# Altium PCB TinyHawk_PCB.PcbDoc (part 4 of 6) (continued)
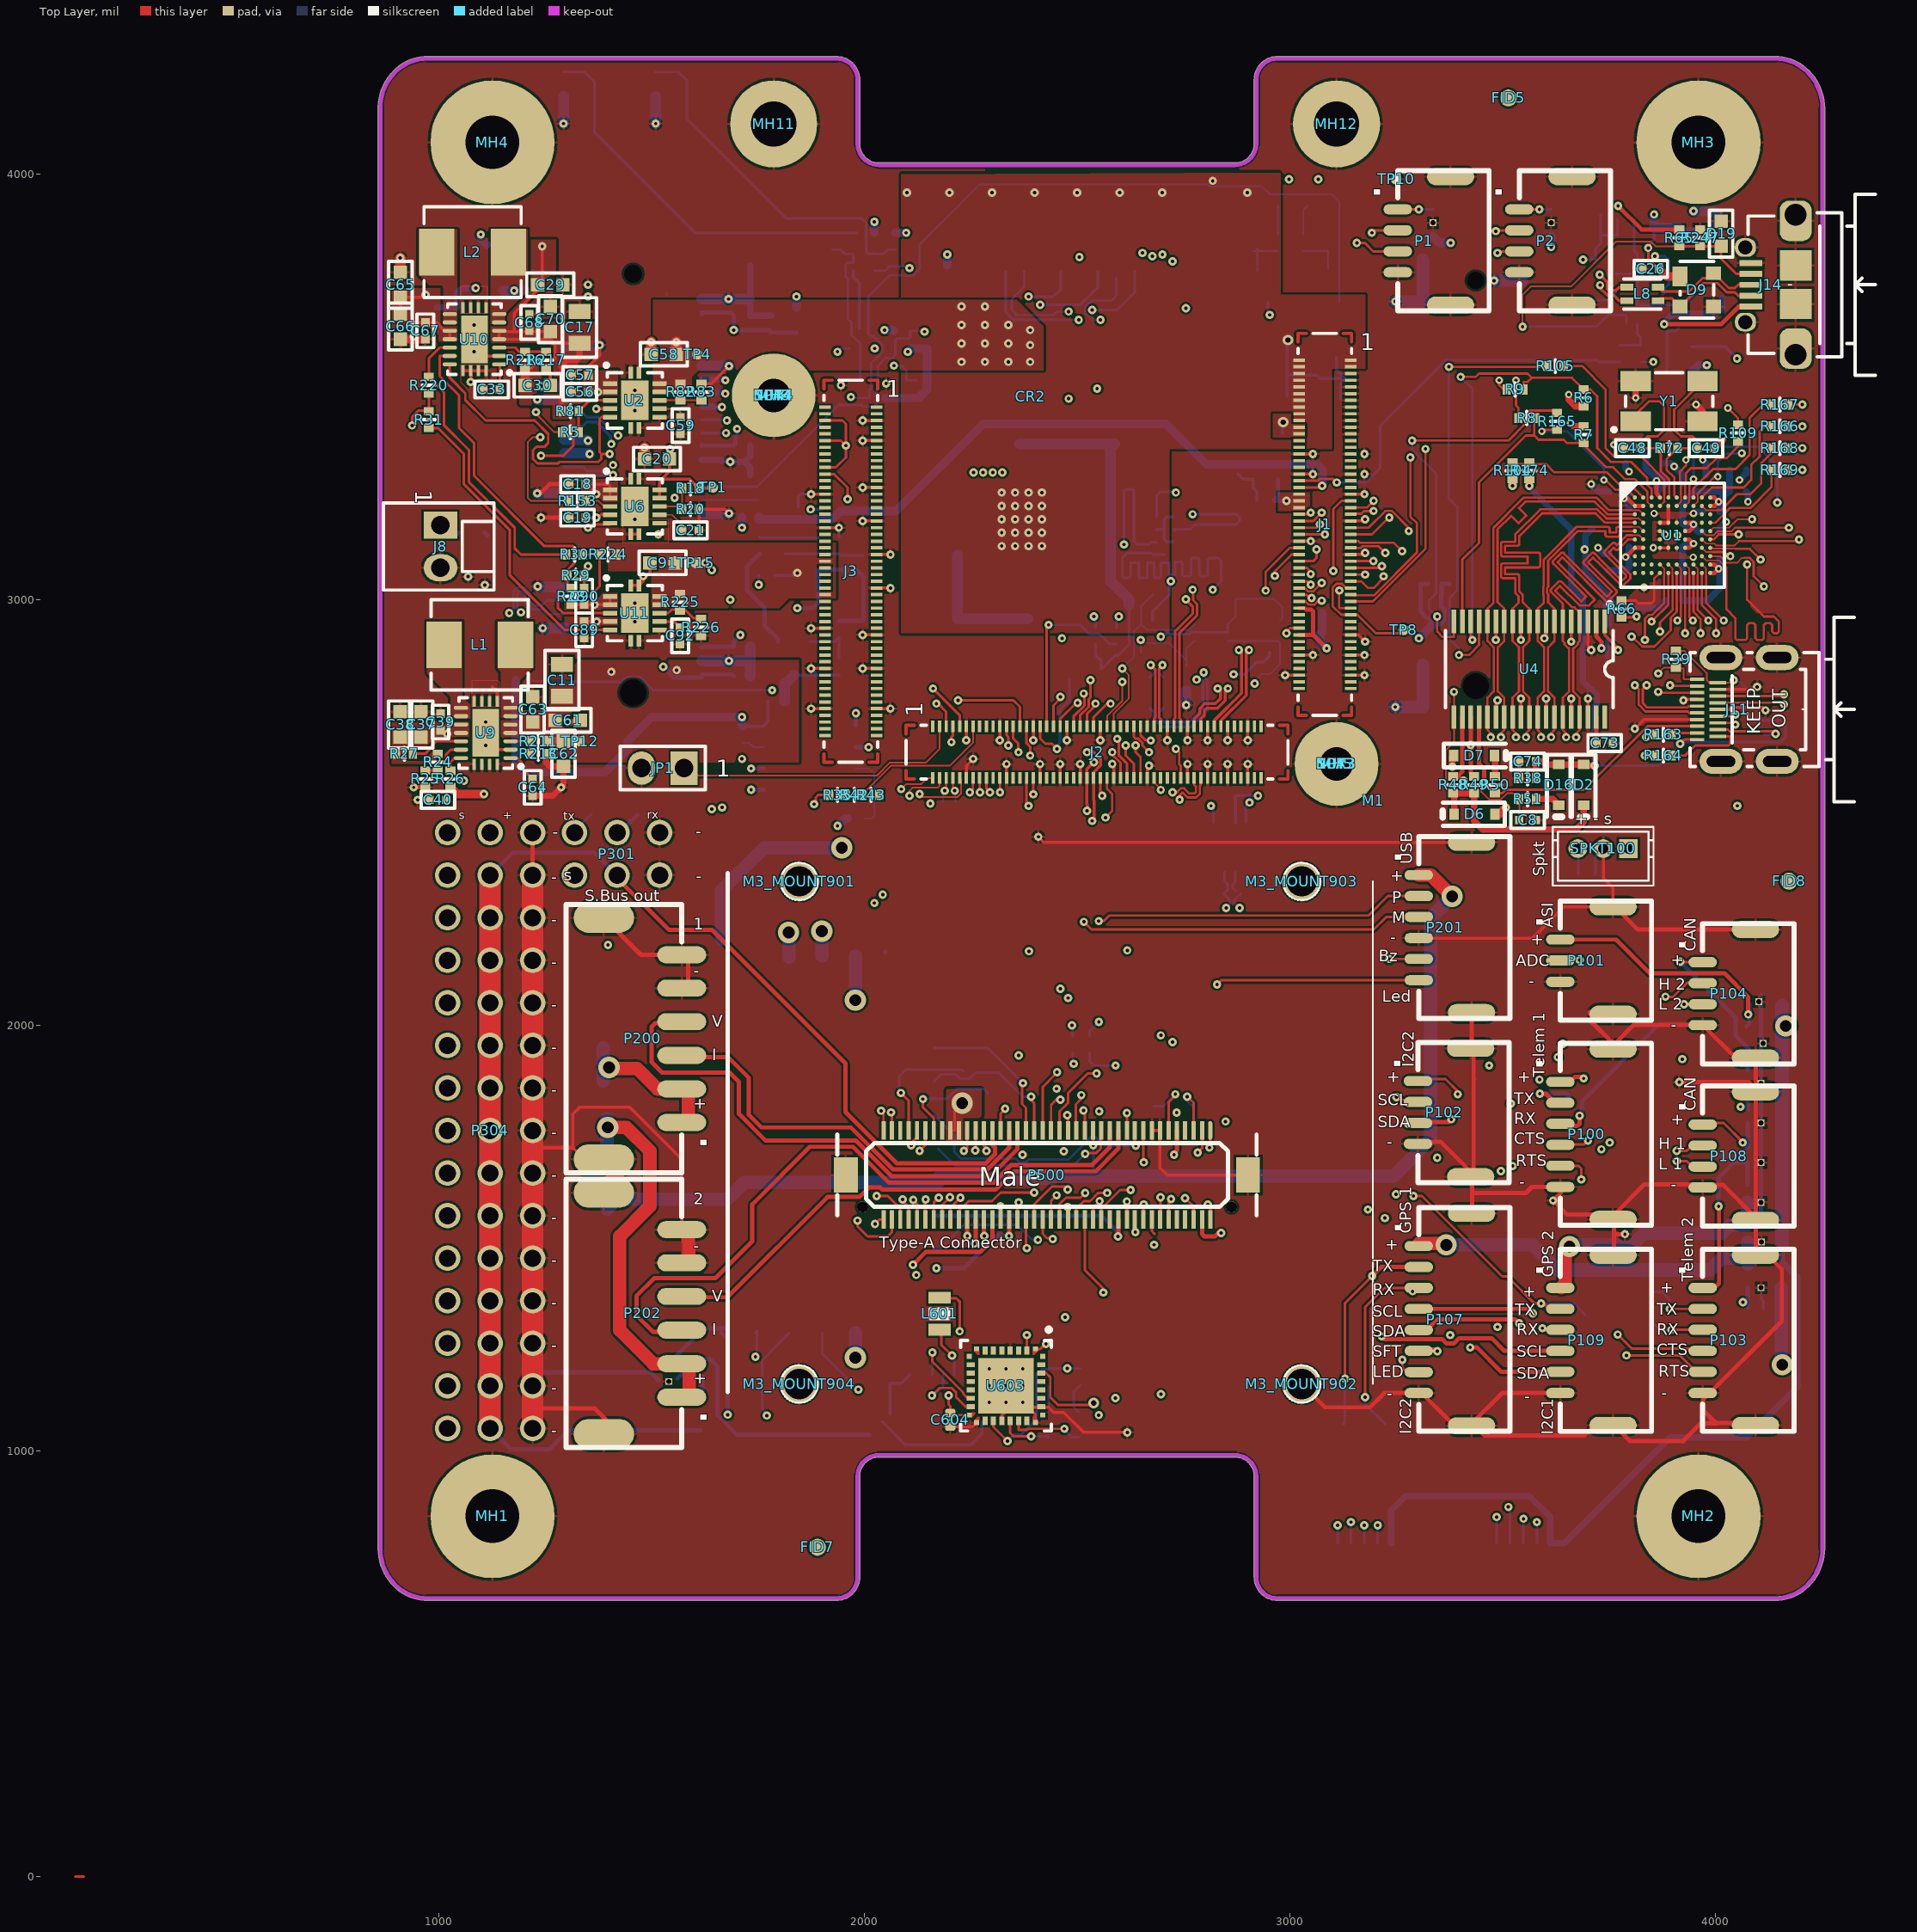
[diagram p0: Top Layer view]
## Nets (pads, with @x,y where several pads share a name; then routed paths per layer and width w, separated by ;. In a path a pad name is that pad's centre, name@x,y a point inside that pad or via, vN(x,y) a via of type N, cw(c..) or ccw(c..) an arc to the next point about the centre after c; other vN are vias at no path point) (continued)
  Top Layer w5.91: J2.43@2491.73,2702.36 2491.73,2725.58 2517.38,2751.23 2517.38,2777.85 v1(2515.7,2779.53)
  Signal Layer 1 w5.91: v1(2480.32,3677.17) 2480.32,3630.7 2505.76,3605.26 2505.76,2876.13 2515.7,2866.19 v1(2515.7,2779.53)
  Bottom Layer w5.91: J15.7@2375.59,3771.65 2375.59,3735.43 2346.46,3706.3 2346.46,3681.1 2358.27,3669.29 2444.88,3669.29 2452.76,3677.17 v1(2480.32,3677.17)
SD3_DATA1: J2.45 J15.8 | length 1251.7
  Top Layer w5.91: J2.45@2507.48,2702.36 2507.48,2728.74 2527.51,2748.76 2527.51,2766.38 2531.49,2770.36 v1(2531.49,2811.02)
  Signal Layer 1 w5.91: v1(2503.94,3657.48) 2503.94,3619.68 2514.66,3608.95 2514.66,2882.97 2531.5,2866.14 v1(2531.49,2811.02)
  Bottom Layer w5.91: J15.8@2332.28,3771.65 2332.28,3675.59 2350.39,3657.48 v1(2503.94,3657.48)
SD3_DATA2: J2.47 J15.1 | length 1169.9
  Top Layer w5.91: J2.47@2523.23,2702.36 2523.23,2731.89 2543.3,2751.96 v1(2543.3,2755.9)
  Signal Layer 1 w5.91: v1(2535.43,3681.1) 2523.57,3669.24 2523.57,2890.6 2547.29,2866.88 2547.29,2783.38 2543.3,2779.4 v1(2543.3,2755.9)
  Bottom Layer w5.91: v1(2535.43,3681.1) 2594.33,3681.1 2635.43,3722.2 J15.1@2635.43,3771.65
SD3_DATA3: J2.49 J15.2 | length 1166.8
  Top Layer w5.91: J2.49@2538.98,2702.36 2538.98,2724.02 2570.87,2755.91 v1(2578.74,2755.91)
  Signal Layer 1 w5.91: v1(2555.12,3657.48) 2564.82,3647.78 2564.82,2899.75 2578.74,2885.83 v1(2578.74,2755.91)
  Bottom Layer w5.91: v1(2555.12,3657.48) 2536.72,3657.48 2519.64,3674.56 2519.64,3687.64 2535.43,3703.44 2581.39,3703.44 2592.13,3714.17 J15.2@2592.13,3755.91
SD3_WP: J2.35 R139.2 | length 418.6
  Top Layer w5.91: J2.35@2428.74,2702.36 2428.74,2936.61 v1(2433.07,2940.94)
  Bottom Layer w5.91: v1(2433.07,2940.94) 2507.33,2940.94 2529.03,2919.24 2553.2,2919.24 2576.77,2895.67 R139.2@2592.52,2895.67
SERIAL1_CTS: P100.4 P500.44 | length 1535.5
  Top Layer w5.91: P500.44@2399.47,1543.67 2399.47,1579.47 2441,1621 2471,1621 v1(2478,1614) ; P100.4@3637.8,1720.47 3692.01,1720.47 v1(3700.79,1729.25)
  Signal Layer 2 w5.91: v1(2469,1704) 2469,1708 2496.8,1735.8 v1@3694.24,1735.8
  Signal Layer 1 w5.91: v1(2469,1704) 2478,1695 v1(2478,1614)
SERIAL1_RTS: P100.5 P500.42 | length 1434.2
  Top Layer w5.91: P500.42@2419.16,1543.67 2419.16,1509.98 2429.13,1500 2441,1500 v1(2443,1498) ; P100.5@3645.96,1673.52 3650.18,1669.29 3679.28,1669.29 3685.04,1663.53 v1(3685.04,1637.8)
  Signal Layer 2 w5.91: v1(2443,1498) 2472,1527 2627.66,1527 2630.46,1529.8 2643.54,1529.8 2643.63,1529.71 2671.17,1529.71 2673.87,1527 2831.43,1527 2832.04,1527.61 2845.13,1527.61 2845.73,1527 3286.84,1527 3397.64,1637.8 v1(3685.04,1637.8)
SERIAL1_RX: JP100.2 P100.3 P500.38 S1RX.P$1 | length 1913
  Top Layer w5.91: P500.38@2459,1543.67 2459,1580 2474,1595 2508,1595 v1(2519,1606)
  Top Layer w10: P100.3@3645.67,1763.78 3676.45,1763.78 3681.1,1768.43 v1(3681.1,1787.4)
  Signal Layer 2 w5.91: v1(2552,1798) 2551,1797 2551,1794 2568.8,1776.2 2811.64,1776.2 2832.23,1796.8 3583.2,1796.8 ; 3583.46,1797.05 3671.46,1797.05 v1(3681.1,1787.4)
  Signal Layer 1 w5.91: v1(2519,1606) 2555.8,1642.8 2555.8,1794.2 v1(2552,1798)
  Bottom Layer w10: v1(3681.1,1787.4) 3685.79,1792.09 3685.79,1820.25 3868.79,2003.25 JP100.2@3950.79,2003.25 ; JP100.2@3968.46,2002.45 JP100.2@3979.46,2002.45
SERIAL1_TX: P100.2 P500.40 S1TX.P$1 | length 1627.6
  Top Layer w5.91: P500.40@2439,1543.67 2439,1587.5 v1(2452,1600.5) v1@2452,1604
  Top Layer w10: v1(3587.79,1839.25) 3601.69,1839.25 3625.98,1814.96 P100.2@3649.61,1814.96
  Signal Layer 2 w5.91: v1(2452,1851) 2461,1860 2576,1860 2587,1871 3401.61,1871 3402.16,1870.45 3429.88,1870.45 3430.43,1871 3458,1871 ; 3458.25,1871.25 3555.79,1871.25 v1(3587.79,1839.25)
  Signal Layer 1 w5.91: v1(2452,1600.5) 2443.2,1609.3 2443.2,1842.2 v1(2452,1851) v1@2453,1851
  Bottom Layer w10: v1(3587.79,1839.25) 3648.79,1839.25 S1TX.P$1@3657.79,1830.25
SERIAL2_CTS: P103.4 P500.32 | length 1894
  Top Layer w5.91: P500.32@2518,1543.67 2518,1425 2562,1381 v1(2562,1372) ; v1(2590,1124) v1@2590.55,1123.45 ; v1(3770.79,1273.25) 3803.79,1240.25 P103.4@3953.22,1240.25
  Signal Layer 2 w5.91: v1(2590,1124) 2698.28,1232.28 3214.22,1232.28 3238.14,1256.2 3383.54,1256.2 3386.13,1258.8 3498.65,1258.8 3504.65,1252.79 3604.75,1252.79 3623.57,1271.61 3769.15,1271.61 v1(3770.79,1273.25)
  Signal Layer 1 w5.91: v1(2562,1372) 2562,1214.59 2572.01,1204.58 2572.01,1141.99 v1(2590,1124)
SERIAL2_RTS: P103.5 P500.30 | length 2053.9
  Top Layer w5.91: P500.30@2538,1543.67 2538,1572 v1(2553,1587) ; v1(3791.34,1224.41) 3916.79,1224.41 3949.95,1191.25 P103.5@3953.22,1191.25
  Signal Layer 2 w5.91: v1(2551,1084) 3272.98,1084 3350.39,1161.42 3689.76,1161.42 3752.75,1224.41 v1(3791.34,1224.41) v1@3791.34,1231.7
  Signal Layer 1 w5.91: v1(2551,1084) 2561.1,1094.1 2561.1,1200.06 2543.8,1217.37 2543.8,1396.37 2538,1402.17 2538,1572 v1(2553,1587)
SERIAL2_RX: P103.3 P500.34 R502.2 S2RX.P$1 | length 2503.3
  Top Layer w5.91: P500.34@2498,1543.67 2498,1568.87 2515.75,1586.61 2530.28,1586.61 2549.96,1606.3 v1(2570.87,1606.3) ; v1(3896.65,1284.45) P103.3@3970.47,1284.45
  Signal Layer 2 w5.91: v1(2697,1133) 2722.45,1107.55 3274.31,1107.55 3343.89,1177.12 3683.25,1177.12 3762.04,1255.91 3868.11,1255.91 v1(3896.65,1284.45)
  Signal Layer 1 w5.91: v1(2590.55,1905.51) 2590.55,1814.96 2570.87,1795.28 v1(2570.87,1606.3) 2570.87,1388.3 2579.8,1379.37 2579.8,1317.96 2574.2,1312.37 2574.2,1217.81 2582.91,1209.1 2582.91,1156.09 2597.2,1141.8 2688.2,1141.8 v1(2697,1133)
  Bottom Layer w5.91: R502.2@2529.53,1935.04 2529.53,1915.35 2539.37,1905.51 v1(2590.55,1905.51) ; S2RX.P$1@3848.43,1305.12 3869.09,1284.45 v1(3896.65,1284.45)
SERIAL2_TX: P103.2 P500.36 R501.2 S2TX.P$1 | length 2252.1
  Top Layer w5.91: v1(3892.72,1333.66) P103.2@3970.47,1333.66
  Signal Layer 2 w5.91: v1(2472,1314) 2501.2,1284.8 3222.54,1284.8 3235.34,1272 v1(3377,1272) ; v1@3377,1273.7 3377.8,1274.5 3505.15,1274.5 3511.16,1268.5 3598.25,1268.5 3663.41,1333.66 v1(3892.72,1333.66)
  Signal Layer 1 w5.91: v1(2472,1314) 2472,1315.7 2475.3,1319 v1@2475.3,1573 ; v1(2478,1573) 2494.2,1589.2 2492.13,1591.28 2492.13,1605.79 2493.8,1607.46 2493.8,1620.54 2492.13,1622.21 2492.13,1781.79 2492.8,1782.46 2492.8,1795.54 2492.13,1796.21 v1(2492.13,1909.45)
  Bottom Layer w5.91: R501.2@2490.16,1935.04 2490.16,1911.42 v1(2492.13,1909.45) ; S2TX.P$1@3848.43,1374.02 3874.02,1374.02 3892.72,1355.32 v1(3892.72,1333.66)
SERIAL3_RX: P107.3 P500.20 S3RX.P$1 | length 1156.6
  Top Layer w5.91: v1(3177.17,1125.98) 3177.17,1337.65 3222.38,1382.87 P107.3@3298.22,1382.87 ; P107.3@3303.15,1382.87 P107.3@3298.22,1382.87 ; P107.3@3304.16,1388.82 P107.3@3298.22,1382.87
  Signal Layer 2 w5.91: v1(2637,1514) 2664.66,1514 2677.46,1501.2 2826.85,1501.2 2832.04,1496.02 3167.66,1496.02 v1(3288.68,1375)
  Bottom Layer w5.91: v1(3177.17,1125.98) 3177.17,1110.24 S3RX.P$1@3224.41,1062.99
SERIAL3_TX: P107.2 P500.22 S3TX.P$1 | length 1304.1
  Top Layer w5.91: P500.22@2617,1543.67 2617,1585 2616,1586 v1(2617,1586) ; v1(3129.92,1169.29) 3129.92,1347.24 v1(3193.68,1411) ; P107.2@3303.15,1438.03 P107.2@3304.16,1438.03
  Top Layer w10: v1(3193.68,1411) 3214.76,1432.09 P107.2@3303.15,1432.09
  Signal Layer 2 w5.91: v1(2617,1586) 2641.8,1561.2 2821.38,1561.2 2854.32,1594.15 2871.68,1594.15 2902.53,1563.3 3179.98,1563.3 v1(3183.68,1567)
  Signal Layer 1 w5.91: v1(3183.68,1567) 3183.68,1422.62 3193.68,1412.62 v1(3193.68,1411)
  Bottom Layer w5.91: S3TX.P$1@3125.98,1062.99 3129.92,1066.93 v1(3129.92,1169.29)
SERIAL4_RX: P109.3 P500.16 S4RX.P$1 | length 1219.3
  Top Layer w5.91: P500.16@2676,1543.67 2676,1516 2682.5,1509.5 ; P109.3@3638.22,1284.86 3597.18,1284.86 v1(3593.79,1288.25) ; v1(3593.79,1288.25) 3592.79,1287.25 3592.79,1285.25 3593.79,1286.25 v1(3593.79,1288.25)
  Signal Layer 2 w5.91: v1(2681.1,1484.25) 2685.04,1480.31 3151.03,1480.31 3272.13,1359.2 3442.66,1359.2 3517.66,1284.2 3589.74,1284.2 v1(3593.79,1288.25) 3593.79,1286.25 v1@3592.79,1285.25
  Bottom Layer w5.91: v1(3593.79,1288.25) 3593.79,1286.25 3589.79,1282.25 3668.79,1282.25 S4RX.P$1@3698.79,1252.25
SERIAL4_TX: P109.2 P500.18 S4TX.P$1 | length 1286.9
  Top Layer w5.91: P500.18@2656,1543.67 2656,1578 v1(2657,1579) ; v1(3290.68,1599) 3310.45,1599 3499.45,1410 3511.68,1410 3575.68,1346 v1@3590.54,1346 ; v1@3593.79,1349.25 3608.97,1334.07 P109.2@3638.22,1334.07
  Signal Layer 2 w5.91: v1(2657,1579) 2661.8,1574.2 2774.04,1574.2 2806.63,1606.8 2874.46,1606.8 2907.05,1574.2 2968.37,1574.2 2978.96,1584.8 3191.05,1584.8 3196.84,1579 3270.68,1579 v1(3290.68,1599)
  Bottom Layer w5.91: v1@3587.79,1349.25 v1(3590.79,1346.25) 3667.79,1346.25 S4TX.P$1@3693.79,1320.25
SERIAL5_RX: P106.3 P301.4 P500.12 S5_RX.P$1 | length 4628.3
  Top Layer w5.91: P500.12@2715,1543.67 2715,1586 v1(2721,1592)
  Signal Layer 2 w5.91: 1704.72,1948.82 2681.1,1948.82 2681.72,1948.2 2715.2,1948.2 v1@2726,1959 ; v1(2724.41,1960.63) 3594.49,1960.63 v1(3629.92,1925.2)
  Signal Layer 2 w10: P301.4@1418.9,2452.76 1378.9,2412.76 1378.9,2255.94 1352.33,2229.37 1352.33,2045.31 1448.82,1948.82 1704.72,1948.82
  Signal Layer 1 w5.91: v1(2721,1592) 2721,1601 2710.2,1611.8 2710.2,1943.2 v1@2721,1954 ; v1(3549.21,840.55) 3862.99,1154.33 3862.99,1635.72 3629.92,1868.79 v1(3629.92,1925.2)
  Bottom Layer w5.91: P106.3@3549.21,783.46 v1(3549.21,840.55)
  Bottom Layer w10: P301.4@1418.9,2452.76 1425.35,2452.76 S5_RX.P$1@1466.54,2493.94
SERIAL5_TX: P106.2 P301.2 P500.14 S5_TX.P$1 | length 4776.8
  Top Layer w5.91: P500.14@2695,1543.67 2696,1544.67 v1(2696,1596)
  Signal Layer 2 w5.91: P301.2@1318.9,2452.76 1356.85,2490.71 1434.62,2490.71 1456.85,2468.48 1456.85,2308.79 1370.08,2222.02 1370.08,2147.1 1540.8,1976.38 v1(2696.85,1976.38) v1(2696.85,1976.38) 3622,1976.43 v1(3641.73,1956.69)
  Signal Layer 1 w5.91: v1@2698,1595 2698,1966 ; v1(3580.71,832.68) 3912.45,1164.42 3912.45,1598.86 3645.72,1865.59 3645.72,1952.71 v1(3641.73,1956.69)
  Bottom Layer w5.91: P301.2@1318.9,2452.76 1318.9,2456.61 S5_TX.P$1@1358.27,2495.98 ; P106.2@3580.71,783.46 v1(3580.71,832.68)
SPI_EXT_MISO: P500.67 SPI_MISO1.P$1 | length 250.9
  Top Layer w6: v1(2137.8,1826.77) 2137.8,1807.09 2163.25,1781.63 P500.67@2163.25,1753
  Bottom Layer w6: v1(2137.8,1826.77) 2193.1,1826.77 2216.33,1850 2282,1850 SPI_MISO1.P$1@2291,1841
SPI_EXT_MOSI: P500.51 SPI_MOSI1.P$1 | length 55.3
  Top Layer w6: P500.51@2320.73,1753 2320.73,1792.73 2331,1803 v1(2331,1804)
SPI_EXT_SCK: P500.73 SPI_SCK1.P$1 | length 298.2
  Top Layer w5.91: v1(2086,1841) 2104.2,1822.8 P500.73@2104.2,1753
  Bottom Layer w5.91: v1(2086,1841) 2085,1840 2082,1840 2082,1880 2097.75,1895.75 2228.78,1895.75 SPI_SCK1.P$1@2232.25,1892.28
SS_2V5: C92.1 U11.7 | length 55.1
  Top Layer w6: U11.7@1518.7,2948.82 1555.12,2948.82 1555.12,2946.85 C92.1@1566.93,2935.04
SS_+1V5: C21.1 U6.7 | length 75.6
  Top Layer w4: U6.7@1518.78,3199.57 1548.46,3199.57 1571.85,3176.18 C21.1@1571.85,3163.39
SS_+1V8: C59.1 U2.7 | length 64.3
  Top Layer w4: U2.7@1518.7,3448.82 1560.04,3448.82 1567.91,3440.94 C59.1@1567.91,3429.13
UART1_RXD: J2.55 Q8.1 R54.1 R58.1 | length 495.6
  Top Layer w4: J2.55@2586.22,2702.36 2586.22,2732.5 2621.14,2767.42 2621.14,2823.74 v1(2606.3,2838.58)
  Bottom Layer w4: v1(2606.3,2838.58) 2633.86,2866.14 2633.86,2925.65 Q8.1@2650.67,2942.46 ; R54.1@2677.17,3011.81 2650.67,2985.31 Q8.1@2650.67,2942.46 ; R58.1@2775.59,2942.91 2761.81,2929.13 2664,2929.13 Q8.1@2650.67,2942.46
UART1_RXD_FTDI: D4.1 Q8.6 R58.2 U603.30 | length 2325.4
  Top Layer w5.91: U603.30@2415.68,1182.53 2427.71,1182.53 2437.01,1173.23 2437.01,1125.98 2454.72,1108.27 2535.43,1108.27 v5(2539.37,1112.2)
  Signal Layer 1 w5.91: v5(2539.37,1112.2) 2503.2,1148.37 2503.2,1733.8 2536.2,1766.8 2536.2,1807.71 2566.98,1838.48 2566.98,2153.59 2665.35,2251.97 2665.35,2574.76 2685.09,2594.49 2685.09,2629.97 2692.91,2637.8 2692.91,2675.88 2649.55,2719.24 v1(2649.61,2905.51) v1(2649.61,2905.51)
  Bottom Layer w4: Q8.6@2650.67,2875.98 2649.61,2877.05 v1(2649.61,2905.51) 2656.58,2898.54 2715.64,2898.54 2756.5,2857.67 D4.1@2756.5,2844.49 2756.5,2884.45 R58.2@2775.59,2903.54
UART1_TXD: J2.53 Q6.4 R59.1 R70.1 | length 779.9
  Top Layer w4: J2.53@2570.47,2702.36 2570.47,2726.65 2606.3,2762.47 v1(2606.3,2807.09)
  Signal Layer 2 w4: v1(2606.3,2807.09) 2606.3,2779.53 2661.42,2724.41 2854.33,2724.41 2917.32,2787.4 v1(2917.32,2803.14)
  Bottom Layer w4: R59.1@2854.33,2903.54 2972.44,2903.54 2977.44,2898.54 Q6.4@2977.44,2875.98 2977.44,2849.33 2952.91,2824.8 R70.1@2933.07,2824.8 2917.32,2809.05 v1(2917.32,2803.14)
UART1_TXD_FTDI: D8.1 Q6.3 R55.1 R59.2 U603.2 | length 2357.1
  Top Layer w5.91: v1(2382,1272) 2382,1235.89 U603.2@2382.21,1235.68
  Signal Layer 2 w5.91: v1(2464.57,2909.45) 2631.21,2909.45 2643.06,2921.31 2656.15,2921.31 2664.08,2913.38 v1(2696.84,2913.38)
  Signal Layer 1 w5.91: v1(2382,1272) 2427.2,1317.2 2427.2,1504.54 2433.07,1510.41 2433.07,2721.76 2476.42,2765.11 2476.42,2778.23 2464.57,2790.09 v1(2464.57,2909.45)
  Bottom Layer w4: R59.2@2854.33,2942.91 2873.42,2962 D8.1@2873.42,3001.97 R55.1@2923.23,3001.97 2962.6,3001.97 2982.28,2982.28 2982.28,2955.63 Q6.3@2977.44,2950.79
  Bottom Layer w5.91: v1(2696.84,2913.38) 2702.8,2919.34 2763.26,2919.34 2767.15,2923.23 2854.33,2923.23 R59.2@2854.33,2942.91
UART2_RXD: J2.63 R501.1 | length 826.9
  Top Layer w6: J2.63@2649.21,2702.36 2649.21,2681.5 2661.42,2669.29 v1(2673.23,2669.29)
  Signal Layer 1 w6: v1(2488.19,2000) 2496.06,2007.87 2496.06,2263.78 2586.61,2354.33 2586.61,2590.55 2629.92,2633.86 2637.8,2633.86 v1(2673.23,2669.29)
  Bottom Layer w6: v1(2488.19,2000) 2490.16,1998.03 R501.1@2490.16,1974.41
UART2_TXD: J2.61 R502.1 | length 808.5
  Top Layer w6: J2.61@2633.46,2702.36 2633.46,2677.56 2637.7,2673.32 2644.36,2673.32 2653.64,2664.04 2653.64,2657.39 v1(2669.29,2641.73)
  Signal Layer 1 w6: v1@2551.18,2003.94 v1(2551.18,2007.87) 2551.18,2177.17 2614.17,2240.16 2614.17,2586.61 v1(2669.29,2641.73)
  Bottom Layer w6: R502.1@2529.53,1974.41 2529.53,1986.22 v1(2551.18,2007.87)
UART4_RXD: J2.60 P1.3 | length 1907.8
  Top Layer w5.91: v1(2594.48,2673.22) 2590.55,2673.22 2598.37,2665.4 2598.37,2648.37 2598.47,2648.27 2598.47,2633.81 2617.72,2614.57 J2.60@2617.72,2581.1 ; v1(3157.48,3838.58) 3176.38,3838.58 3196.46,3818.5 P1.3@3253.94,3818.5
  Signal Layer 2 w5.91: v1(2677.17,3807.09) 2677.17,3809.74 2702.03,3834.6 3153.5,3834.6 v1(3157.48,3838.58)
  Signal Layer 1 w5.91: v1(2594.48,2673.22) 2622.09,2700.83 2622.09,2867.66 2582.63,2907.13 2582.63,3712.55 v1(2677.17,3807.09)
UART4_TXD: J2.58 P1.2 | length 1914.2
  Top Layer w5.91: v1(2582.68,2641.73) 2582.68,2636.51 2601.97,2617.22 J2.58@2601.97,2581.1 ; v1(3192.91,3862.2) 3198.82,3868.11 P1.2@3253.94,3868.11
  Signal Layer 2 w5.91: v1(2653.54,3814.95) 2700.79,3862.2 v1(3192.91,3862.2)
  Signal Layer 1 w5.91: v1(2582.68,2641.73) 2578.69,2645.72 2578.69,2733.01 2594.54,2748.86 2594.54,2762.45 2587.65,2769.34 2587.65,2889.52 2573.72,2903.44 2573.72,3735.14 v1(2653.54,3814.95)
UART5_RXD: J2.64 P2.3 | length 2084.4
  Top Layer w5.91: v1(2637.8,2657.48) 2637.8,2641.73 2649.21,2630.32 J2.64@2649.21,2581.1 ; v1(3488.19,3814.96) 3491.73,3818.5 P2.3@3539.37,3818.5
  Signal Layer 2 w5.91: v1(2724.41,3795.28) 2732.28,3803.15 3216.03,3803.15 3227.85,3814.96 v1(3488.19,3814.96)
  Signal Layer 1 w5.91: v1(2637.8,2657.48) 2639.91,2659.59 2639.91,2892.87 2633.81,2898.97 2633.81,2912.05 2639.91,2918.15 2639.91,3710.77 v1(2724.41,3795.28)
UART5_TXD: J2.62 P2.2 | length 2141.1
  Top Layer w5.91: v1(2614.17,2657.47) 2614.17,2633.86 2633.46,2614.57 J2.62@2633.46,2581.1 ; v1(3484.25,3866.14) 3486.22,3868.11 P2.2@3539.37,3868.11
  Signal Layer 2 w5.91: v1(2700.79,3811.02) 2708.66,3818.9 3209.57,3818.9 3256.82,3866.14 v1(3484.25,3866.14)
  Signal Layer 1 w5.91: v1(2614.17,2657.47) 2631,2674.31 2631,2871.35 2626.91,2875.44 2626.91,2893.28 2624.91,2895.28 2624.91,2915.74 2626.91,2917.74 2626.91,3733.2 2700.79,3807.09 v1(2700.79,3811.02)
USB0_ID: D19.1 J2.68 J14.4 R65.1 R247.2 U16.2 | length 3018.4
  Top Layer w4: J2.68@2680.71,2581.1 2680.71,2571.26 2696.85,2555.12 v1(2696.85,2553.15) ; v1(3547.24,3641.73) 3547.24,3716.54 3566.93,3736.22 3661.42,3736.22 3766.8,3841.61 3848.66,3841.61 3859.56,3830.71 R65.1@3915.35,3830.71
  Top Layer w6: R65.1@3915.35,3830.71 D19.1@4013.78,3830.71 4013.78,3801.18 4049.21,3765.75 J14.4@4083.66,3765.75
  Signal Layer 2 w4: v1(2755.91,3685.04) 2760.75,3689.88 3228.35,3689.88 3276.5,3641.73 v1(3547.24,3641.73)
  Signal Layer 1 w4: v1(2696.85,2553.15) 2716.54,2572.83 2716.54,2605.78 2774.29,2663.54 2774.29,2758.21 2741.06,2791.43 2741.06,3239.76 2747.13,3245.82 2747.13,3676.26 v1(2755.91,3685.04)
  Bottom Layer w4: U16.2@3791.34,3647.64 U16.2@3791.34,3653.54
  Bottom Layer w5.4: v1(3547.24,3641.73) 3720.47,3641.73 3748.03,3669.29 3787.4,3669.29 3791.34,3665.35 U16.2@3791.34,3653.54
USB0_ID_BUFF: D27.1 U16.4 | length 54.9
  Bottom Layer w6: D27.1@3718.5,3703.97 3747.28,3703.97 U16.4@3765.75,3722.44
USB0_ID_BUFF_EN_R: R155.1 R304.1 U16.1 | length 101.7
  Bottom Layer w6: R304.1@3775.59,3598.43 R155.1@3824.8,3598.43 3824.8,3616.14 3816.93,3624.02 U16.1@3816.93,3647.64
USB0_N: J2.73 L8.2 | length 3349.4
  Top Layer w6: J2.73@2727.95,2702.36 2727.95,2719.14 2730.83,2722.02 2730.83,2728.35 2730.66,2728.51 2730.66,2925.9 2730.83,2926.07 2771.65,2966.9 2771.65,2984.25 2755.91,3000 v1(2755.91,3001.09)
  Top Layer w7: v4(3729.35,3739.16) 3729.35,3732.19 3746,3715.53 3761.28,3715.53 3774.06,3702.76 L8.2@3792.32,3702.76
  Signal Layer 2 w6: v1(2755.91,3001.09) 2745.19,3011.81 2370.08,3011.81 2212.6,3169.29 2212.6,3364.72 2255.7,3407.82 2257.11,3407.82 2271.68,3422.39 2893.59,3422.39 2940.84,3469.63 3402.87,3469.63 3414.68,3481.44 3590.76,3481.44 3644.75,3535.43 3862.2,3535.43 3901.57,3574.8 3901.57,3636.19 3926,3660.61 3926,3711.8 3893.5,3744.3 3734.49,3744.3 v4(3729.35,3739.16)
USB0_P: J2.75 L8.1 | length 3397.8
  Top Layer w6: J2.75@2743.7,2702.36 2743.7,2719.14 2740.83,2722.02 2740.83,2732.49 2740.66,2732.66 2740.66,2921.76 2782.06,2963.17 2782.06,2989.59 2772.75,2998.91 2772.75,3022.53 v1(2771.65,3023.62)
  Top Layer w7: v4(3728.34,3763.77) 3729.26,3763.77 3746.69,3746.34 3746.69,3730.4 3750.56,3726.53 3766.34,3726.53 3774.06,3734.25 L8.1@3792.32,3734.25
  Signal Layer 2 w6: v1(2771.65,3023.62) 2765.97,3017.94 2753.21,3017.94 2749.33,3021.81 2374.22,3021.81 2222.6,3173.43 2222.6,3360.58 2275.41,3413.39 2897.32,3413.39 2944.57,3460.63 3406.59,3460.63 3418.4,3472.44 3594.49,3472.44 3647.48,3525.43 3866.35,3525.43 3876.35,3535.43 3911.57,3570.66 3911.57,3632.05 3933.07,3653.54 3936,3656.47 3936,3715.94 3933.07,3718.87 3911.78,3740.16 3897.64,3754.3 3738.02,3754.3 3728.55,3763.77 v4(3728.34,3763.77)
USB1_N: J2.67 L6.3 | length 186.3
  Top Layer w6: v1@2673.23,2846.58 v1(2673.23,2846.46) 2683.58,2836.1 2683.58,2722.02 2680.71,2719.14 J2.67@2680.71,2702.36
  Bottom Layer w6: L6.3@2671.26,2817.91 2682.01,2828.66 2682.01,2837.68 v1(2673.23,2846.46)
USB1_P: J2.69 L6.4 | length 188.2
  Top Layer w6: J2.69@2696.46,2702.36 2696.46,2719.14 2693.58,2722.02 2693.58,2839.25 v1(2700.79,2846.46) v1@2700.79,2849.73
  Bottom Layer w6: v1(2700.79,2846.46) 2692.01,2837.68 2692.01,2828.66 L6.4@2702.76,2817.91
USB_MPCIE_CON_N: J13.36 L6.2 | length 2905.7
  Signal Layer 2 w7: v1(1673.23,3484.25) 1660.61,3496.87 1546.43,3496.87 1518.87,3524.43 1204.72,3524.43 1196.04,3515.75 1196.04,3201.41 1268.34,3129.11 1634.48,3129.11 1690.86,3072.72 1690.86,3043.93 1841.9,2892.89 2639.12,2892.89 2642.84,2889.17 2728.75,2889.17 2788.73,2829.19 v1(2797.7,2829.19)
  Bottom Layer w7: L6.2@2671.26,2745.08 2681.51,2734.83 2681.51,2719.85 2699.76,2701.6 2768.34,2701.6 2803.05,2736.32 2806.28,2739.54 2806.28,2811.64 2803.05,2814.86 v1@2795.18,2822.74
  Bottom Layer w15: J13.36@1618.11,3486.22 1671.26,3486.22 v1(1673.23,3484.25)
USB_MPCIE_CON_P: J13.38 L6.1 | length 2909.2
  Signal Layer 2 w7: v1(1673.23,3515.75) 1665.35,3507.87 1637.8,3507.87 1637.8,3519.68 1622.05,3519.68 1622.05,3507.87 1550.99,3507.87 1523.43,3535.43 1200.17,3535.43 1185.04,3520.3 1185.04,3196.85 1263.78,3118.11 1629.92,3118.11 1679.86,3068.17 1679.86,3039.37 1837.34,2881.89 2634.56,2881.89 2638.28,2878.17 2724.19,2878.17 2780.95,2821.41 v1(2780.95,2812.44)
  Bottom Layer w7: L6.1@2702.76,2745.08 2692.51,2734.83 2692.51,2724.41 2704.32,2712.6 2763.78,2712.6 2795.28,2744.09 2795.28,2807.09 v1@2787.4,2814.96
  Bottom Layer w15: J13.38@1618.11,3517.71 1671.26,3517.71 v1(1673.23,3515.75)
USB_OTG_CON_N: D9.2 J14.2 L8.3 | length 254.4
  Top Layer w6: L8.3@3865.16,3702.76 3871.06,3708.66 3897.64,3708.66 3905.51,3700.79 3917.32,3700.79 3929.13,3700.79 3972.44,3744.09 4005.62,3744.09 4027.35,3722.36 4046.29,3722.36 4054.09,3714.57 J14.2@4083.66,3714.57
USB_OTG_CON_P: D9.4 J14.3 L8.4 | length 258.4
  Top Layer w6: L8.4@3865.16,3734.25 3875,3724.41 3938.61,3724.41 3970.11,3755.91 3984.25,3755.91 D9.4@3996.06,3767.72 D9.4@3996.06,3767.72 4031.5,3732.36 4046.29,3732.36 4054.09,3740.16 J14.3@4083.66,3740.16
USB_OTG_EN: D27.2 Q1.1 Q2.1 R45.2 R63.2 R214.1 | length 514.4
  Signal Layer 2 w6: v1(3688.98,3799.21) 3748.03,3799.21 3755.91,3807.09 v1(3858.27,3807.09)
  Bottom Layer w6: v1(3688.98,3799.21) 3689.73,3799.97 D27.2@3718.5,3799.97 3718.5,3824.8 3730.32,3836.61 R45.2@3730.32,3856.3 ; R63.2@3730.32,3905.51 R45.2@3730.32,3856.3 ; R214.1@3769.68,3893.7 3769.69,3856.3 R45.2@3730.32,3856.3 ; v1(3858.27,3807.09) 3881.89,3807.09 3891.73,3797.24 3891.73,3742.13 3881.89,3732.28 3881.89,3722.44 Q1.1@3875.98,3716.54
USER_LED_RED: D5.1 R146.1 | length 66.9
  Bottom Layer w4: R146.1@2972.44,3858.27 D5.1@2972.44,3925.2
V\B\U\S\_\V\A\L\I\D\: P500.59 PSM200.!VBUS_VALID | length 1212.7
  Top Layer w5.91: v1@2237,1705 2241.99,1709.99 P500.59@2241.99,1753
  Signal Layer 1 w5.91: v1(1744,1221) 1744,1149 1816,1077 1883.6,1077 1950.09,1143.49 1950.09,1148.68 1974.11,1172.7 2003.7,1172.7 2030.24,1199.24 2030.24,1452.4 2147.6,1569.76 2235.6,1569.76 2243.8,1577.96 2243.8,1695.2 v1(2234,1705)
  Bottom Layer w5.91: PSM200.!VBUS_VALID@1743,1277 1748,1282 v1@1748,1218
V\D\D\_\5\V\_\H\I\P\O\W\E\R\_\O\C\: P500.45 PSM200.!VDD_5V_HIPOWER_OC | length 359
  Top Layer w6: v1(2373,1864) 2371,1862 2371,1814.96 2379.79,1806.17 P500.45@2379.79,1753
  Bottom Layer w6: PSM200.!VDD_5V_HIPOWER_OC@2163.7,1946.54 2290.46,1946.54 v1(2373,1864)
V\D\D\_\5\V\_\P\E\R\I\P\H\_\E\N\: P500.27 PSM200.!VDD_5V_PERIPH_EN | length 460.9
  Top Layer w6: v1(2519,1698) 2521.16,1700.16 2545.39,1700.16 2555.84,1710.61 2555.84,1751.84 P500.27@2557,1753
  Bottom Layer w6: PSM200.!VDD_5V_PERIPH_EN@2173.54,1710 2213.8,1669.75 2357.46,1669.75 2360.05,1667.16 2383.95,1667.16 2386.54,1669.75 2490.75,1669.75 v1(2519,1698)
V\D\D\_\5\V\_\P\E\R\I\P\H\_\O\C\: P500.43 PSM200.!VDD_5V_PERIPH_OC | length 350.9
  Top Layer w6: v1(2392,1832) 2392,1824 2399.47,1816.53 P500.43@2399.47,1753
  Bottom Layer w6: PSM200.!VDD_5V_PERIPH_OC@2163.7,1867.8 2180.7,1884.8 2214.61,1884.8 2224.4,1875 2247.6,1875 2261.6,1889 2316,1889 2373,1832 v1(2392,1832)
V\D\D\_\B\A\C\K\U\P\_\V\A\L\I\D\: P500.57 PSM200.!VDD_BACKUP_VALID | length 1291.7
  Top Layer w5.91: v1@2260,1706 2261.68,1707.68 P500.57@2261.68,1753
  Signal Layer 1 w5.91: v1(1771,1083) 1803,1051 1909,1051 1959,1101 1959,1142.17 1978.63,1161.8 2008.22,1161.8 2041.14,1194.72 2041.14,1447.88 2152.12,1558.86 2240.12,1558.86 2261,1579.74 v1(2261,1706)
  Bottom Layer w5.91: v1@1773.5,1085.5 1760,1099 1760,1213 1822,1275 1822,1277.13 PSM200.!VDD_BACKUP_VALID@1821.87,1277
V\D\D\_\B\R\I\C\K\_\V\A\L\I\D\: P500.55 PSM200.!VDD_BRICK_VALID | length 975
  Top Layer w5.91: P500.55@2281.36,1753 2281.36,1716.64 2288,1710 2283,1705 v1@2283,1700
  Signal Layer 1 w5.91: v1(1986,1144) 1992.89,1150.89 2012.74,1150.89 2052.05,1190.2 2052.05,1443.37 2156.63,1547.95 2244.63,1547.95 2287,1590.32 v1(2287,1705)
  Bottom Layer w5.91: PSM200.!VDD_BRICK_VALID@1900.61,1277 1900.61,1229.39 v1(1986,1144)
VBUS: P201.1 P500.29 PSM200.VBUS PSM200.VDD_VBUS | length 2872.6
  Top Layer w5.91: v1(2538,1718) P500.29@2538,1753
  Top Layer w31.5: P201.1@3303.15,2353.03 3331.65,2353.03 v3(3381.68,2303)
  Bottom Layer w5.91: 2539,1646 v1@2539,1717
  Bottom Layer w31.5: PSM200.VDD_VBUS@1382,1622 1395.63,1622 1395.63,1568.63 1418,1591 1678,1591 1718,1631 PSM200.VBUS@2173.54,1631 2173.54,1640.59 2442.24,1640.59 2447.24,1645.59 2558.65,1645.59 2559.06,1646 3244.43,1646 3330.71,1732.28 3330.71,2252.03 v3(3381.68,2303)
VDD_3V3_SPEKTRUM: D102.C PSM200.SPEK SPKT100.3 | length 500.1
  Signal Layer 2 w31.5: SPKT100.3@3675.79,2416.25 SPKT100.3@3676.79,2415.25
  Bottom Layer w5.91: SPKT100.3@3676.79,2415.25 3678.1,2413.94 D102.C@3678.1,2355.25
  Bottom Layer w31.5: 1664,2203 1664,2316.56 1764.44,2417 v3(1947,2417)
VDD_3V3_SPEKTRUM_EN: P500.19 PSM200.VDD_3V3_SPEKTRUM_EN | length 612.4
  Top Layer w6: P500.19@2636,1753 2636,1719 v1(2638,1717)
  Bottom Layer w6: PSM200.VDD_3V3_SPEKTRUM_EN@2163.7,1789.06 2211.2,1741.56 2211.2,1701.8 2211.97,1701.8 2226.61,1687.16 2355.61,1687.16 2364.61,1678.16 2379.39,1678.16 2386.23,1685 2480.32,1685 2520.16,1724.84 2520.16,1725.39 2530.61,1735.84 2545.39,1735.84 2564.23,1717 v1(2638,1717)
VDD_5V_BACKUP: P202.1 P202.2 PSM200.VDD_5V_BACKUP | length 883.7
  Top Layer w31.5: v3(1397,1760) 1440.79,1760 1496,1704.79 1496,1575 1425.2,1504.2 1425.2,1283.46 1503.94,1204.72 P202.2@1549.35,1204.72 ; P202.2@1584.63,1199 1588.28,1195.35 P202.1@1588.28,1125.15
  Bottom Layer w31.5: PSM200.VDD_5V_BACKUP@1395,1701 PSM200.VDD_5V_BACKUP@1395,1780
VDD_5V_BRICK: P200.1 P200.2 PSM200.VDD_BRICK_IN | length 348.1
  Top Layer w31.5: v3@1419,1898 1466.63,1898 1514.24,1850.39 1586.28,1850.39 P200.1@1586.28,1768
  Bottom Layer w31.5: PSM200.VDD_BRICK_IN@1386.14,1867.8 PSM200.VDD_BRICK_IN@1386.14,1946.54
  other v3: 1400,1901
VDD_5V_HIPOWER: L101.P$1 PSM200.5V_HIPOWER | length 281.7
  Bottom Layer w31.5: v3(1979,2059) 1979,2064 1979.35,2064.35 PSM200.5V_HIPOWER@1979.35,2163.07 ; v3@4155.46,1204.45 4155.46,1381.89
  other v3: 4157.46,1202.45
VDD_5V_IN_PROT: P500.61 P500.63 PSM200.VDD_5V_IN_PROT | length 139.1
  Top Layer w5.91: P500.63@2202.62,1753 2212.46,1753 2212.46,1799.46 v3(2230,1817)
  Bottom Layer w31.5: v3@1979.35,1219 PSM200.VDD_5V_IN_PROT@1979.35,1277
  other v3: 1979,1219
VDD_5V_PERIPH: L100.P$1 L102.P$1 L103.P$1 L104.P$1 L105.P$1 L106.P$1 L107.P$1 P105.1 P106.1 PSM200.5V_PERIPH | length 2251.5
  Bottom Layer w15: P105.1@3238.19,783.46 3238.19,860.24 3271.65,893.7 3562.99,893.7 3612.2,844.49 P106.1@3612.2,783.46 3645.67,783.46 3893.7,1031.5 4074.8,1031.5 4192.96,1149.66 4192.96,1408.14 4156.96,1444.14 4156.96,1488.19
  Bottom Layer w31.5: PSM200.5V_PERIPH@1900.61,2163.07 v3@1900.61,2224.39 ; 4156.96,1488.19 4156.96,2046.45
  other v3: 4165.46,1998.45 1900,2221
VDD_SERVO: "P304.SERVO VCC" D300.ANODE P301.3 P500.53 | length 3452.8
  Top Layer w10: P301.3@1435.26,2329.74 1540.59,2224.41 1641.59,2224.41 1956.05,1909.95 1956.05,1795.79 2076,1675.84 2285.9,1675.84 2307.09,1697.03 2307.09,1712.6 2301.05,1718.64 P500.53@2301.05,1753
  Top Layer w50: 1120.47,1052.76 1120.47,1152.76 1120.47,1252.76 1120.47,1352.76 1120.47,1452.76 1120.47,1552.76 1120.47,1652.76 1120.47,1752.76 1120.47,1852.76 1120.47,1952.76 1120.47,2052.76 1120.47,2152.76 1120.47,2252.76 1120.47,2352.76
  Bottom Layer w10: 1120.47,1052.76 1169.29,1003.94 1259.84,1003.94 1303.91,1048 D300.ANODE@1615.63,1048 ; 1120.47,2352.76 1173.46,2405.75 1365.91,2405.75 P301.3@1418.9,2352.76
VDD_SERVO_IN: L300.P$2 P500.9 PSM200.SERVO_IN | length 1972.7
  Top Layer w10: v1(2728,1696) 2728,1699 2735,1706 P500.9@2735,1753
  Signal Layer 2 w10: v1(2372,1696) 2387.84,1680.16 2629.22,1680.16 2646.9,1697.84 2726.16,1697.84 v1(2728,1696)
  Signal Layer 1 w10: v1(1679,1085) 1729,1035 1918.66,1035 2065,1181.34 2065,1438 2162,1535 2250,1535 2299.95,1584.95 2299.95,1624.95 2372,1697 v1(2372,1696)
  Bottom Layer w10: L300.P$2@1540.63,1195 1540.63,1205.98 1622.05,1287.4 PSM200.SERVO_IN@1677.17,1287.4 ; PSM200.SERVO_IN@1664,1277 1679,1262 v1(1679,1085)
VID_IN_CSI0_D0: J1.48 R1.2 TP2.1 | length 908.4
  Top Layer w6: J1.48@3021.65,3200.79 3045.28,3200.79 v1(3049.21,3204.72)
  Signal Layer 2 w6: v1(2732.28,3251.97) 2795.28,3251.97 2818.9,3275.59 2818.9,3314.96 2822.83,3318.9 2850.39,3318.9 2850.39,3279.53 2854.33,3275.59 2881.89,3275.59 2881.89,3326.77 2886.07,3330.96 2905.26,3330.96 2909.45,3326.77 2909.45,3275.59 2937.01,3275.59 2937.01,3327.02 2940.94,3330.96 2956.69,3330.96 2960.63,3327.02 2960.63,3275.59 2992.13,3275.59 2992.13,3323.08 3000,3330.96 3015.5,3330.96 3027.56,3318.9 3027.56,3226.38 v1(3049.21,3204.72)
  Bottom Layer w6: R1.2@2687.01,3194.88 2687.01,3244.09 TP2.1@2696.85,3253.94 2730.32,3253.94 v1(2732.28,3251.97) ; v1(3049.21,3204.72) v1@3051.18,3204.72